# Altium PCB X98_CARRIER_V1R2_12082022.PcbDoc (part 10 of 10)
Units mm, origin at the board's own origin, x right, y up, seen from the top; angles counter-clockwise.
Board outline 100 x 72 mm, 4 copper layers (Top Layer, Layer 1, Layer 2, Bottom Layer), stack 1.543 mm thick; 772 components, 527 nets, 2344 pads, 1194 vias.
Unrouted connection lines stored in the file: 58.
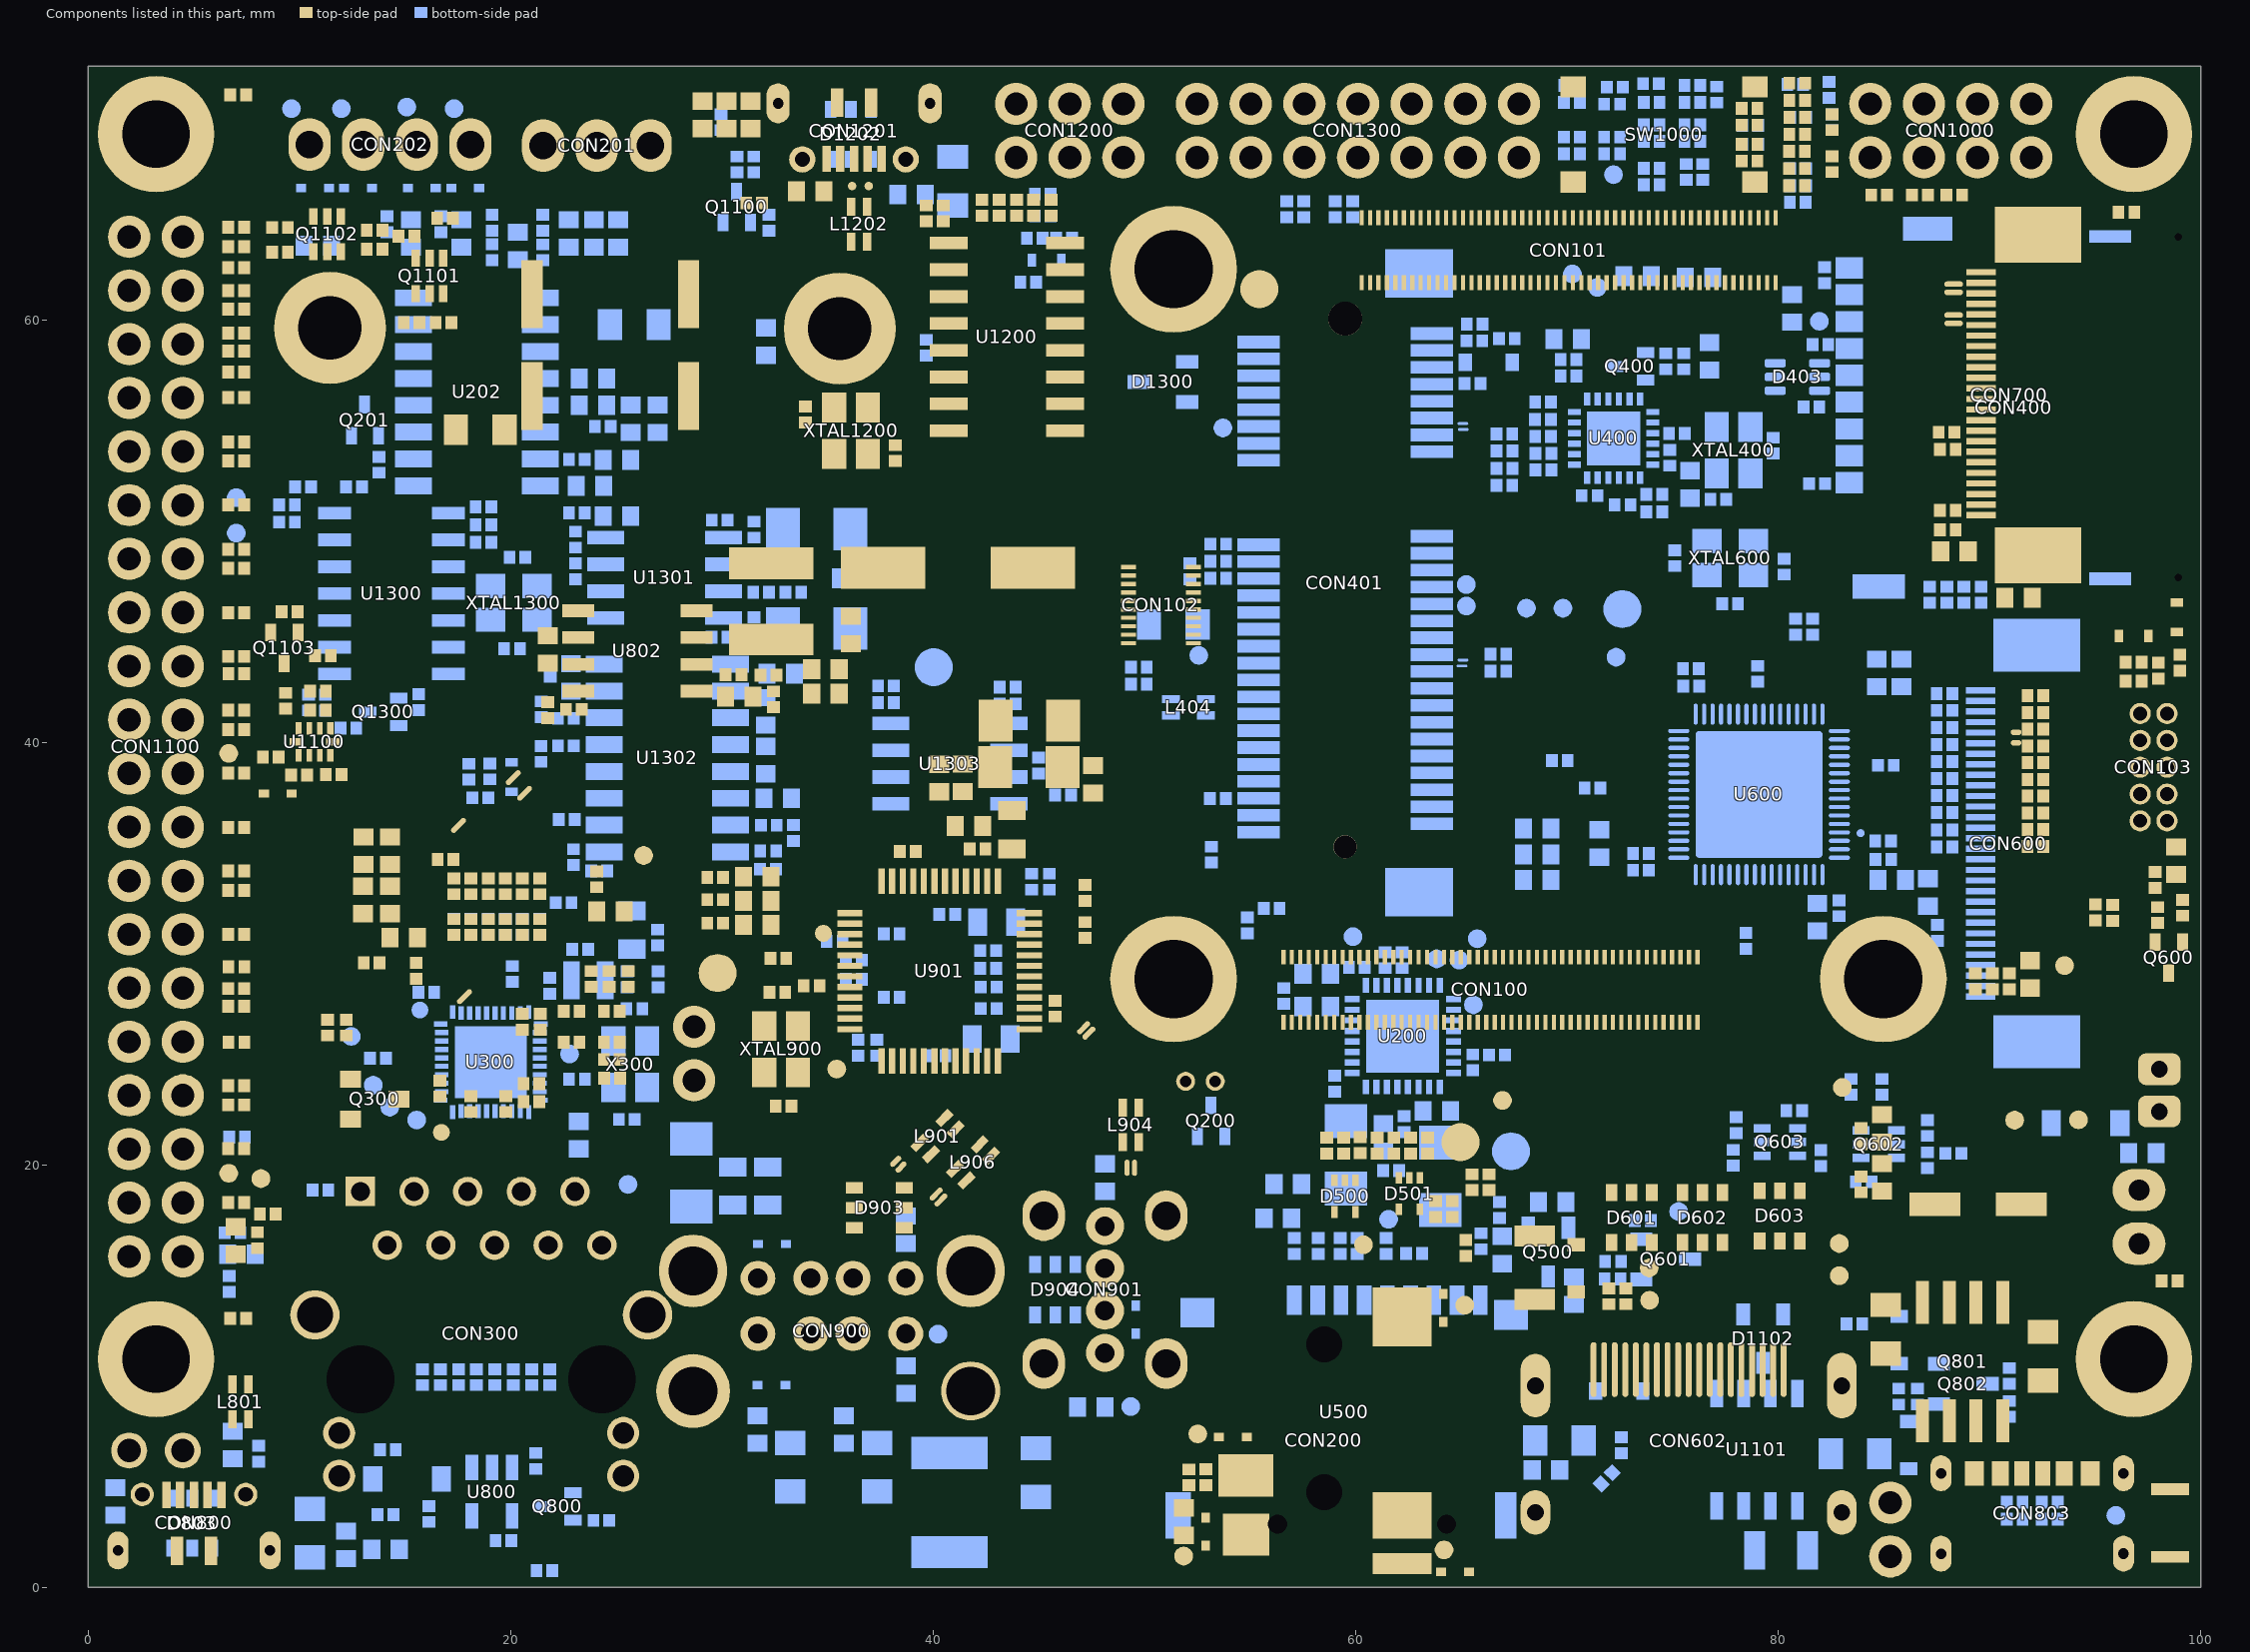
[diagram p12: the components of this part, seen from the top]

## Silkscreen, mask and mechanical layers (free items; w line width, h text height)
Top Overlay:
  drawing of 2811 lines, arcs and shapes, not listed
  text "P" at 145.113,144.428 h7.49
  text "C" at 149.424,144.428 h7.49
  text "B" at 154.094,144.428 h7.49
  text "S" at 159.842,144.428 h7.49
  text "P" at 164.154,144.428 h7.49
  text "E" at 168.465,144.428 h7.49
  text "C" at 172.776,144.428 h7.49
  text "I" at 177.446,144.428 h7.49
  text "F" at 179.242,144.428 h7.49
  text "I" at 183.194,144.428 h7.49
  text "C" at 184.991,144.428 h7.49
  text "A" at 189.661,144.428 h7.49
  text "T" at 193.792,144.428 h7.49
  text "I" at 197.924,144.428 h7.49
  text "O" at 199.72,144.428 h7.49
  text "N" at 204.57,144.428 h7.49
  text "S" at 209.061,144.428 h7.49
  text "P" at 147.621,138.859 h2.96
  text "C" at 149.238,138.859 h2.96
  text "B" at 150.854,138.859 h2.96
  text "V" at 154.088,138.859 h2.96
  text "e" at 155.704,138.859 h2.96
  text "r" at 157.321,138.859 h2.96
  text "s" at 158.938,138.859 h2.96
  text "i" at 160.554,138.859 h2.96
  text "o" at 162.171,138.859 h2.96
  text "n" at 163.788,138.859 h2.96
  text "2" at 203.521,138.859 h2.96
  text "1" at 205.138,138.859 h2.96
  text "C" at 206.754,138.859 h2.96
  text "B" at 208.371,138.859 h2.96
  text "9" at 209.988,138.859 h2.96
  text "8" at 211.604,138.859 h2.96
  text "0" at 213.221,138.859 h2.96
  text "0" at 214.838,138.859 h2.96
  text "V" at 216.454,138.859 h2.96
  text "1" at 218.071,138.859 h2.96
  text "R" at 219.688,138.859 h2.96
  text "R" at 254.225,138.859 h2.96
  text "o" at 255.842,138.859 h2.96
  text "H" at 257.459,138.859 h2.96
  text "s" at 259.075,138.859 h2.96
  text "2" at 221.304,138.821 h2.96
  text "P" at 147.621,133.83 h2.96
  text "C" at 149.238,133.83 h2.96
  text "B" at 150.854,133.83 h2.96
  text "D" at 154.088,133.83 h2.96
  text "e" at 155.704,133.83 h2.96
  text "f" at 157.321,133.83 h2.96
  text "i" at 158.938,133.83 h2.96
  text "n" at 160.554,133.83 h2.96
  text "i" at 162.171,133.83 h2.96
  text "t" at 163.788,133.83 h2.96
  text "i" at 165.404,133.83 h2.96
  text "o" at 167.021,133.83 h2.96
  text "n" at 168.638,133.83 h2.96
  text "C" at 203.521,133.83 h2.96
  text "A" at 205.138,133.83 h2.96
  text "R" at 206.754,133.83 h2.96
  text "R" at 208.371,133.83 h2.96
  text "I" at 209.988,133.83 h2.96
  text "E" at 211.604,133.83 h2.96
  text "R" at 213.221,133.83 h2.96
  text "I" at 254.225,133.83 h2.96
  text "m" at 255.842,133.83 h2.96
  text "p" at 257.459,133.83 h2.96
  text "e" at 259.075,133.83 h2.96
  text "d" at 260.692,133.83 h2.96
  text "a" at 262.309,133.83 h2.96
  text "n" at 263.925,133.83 h2.96
  text "c" at 265.542,133.83 h2.96
  text "e" at 267.159,133.83 h2.96
  text "C" at 270.392,133.83 h2.96
  text "o" at 272.009,133.83 h2.96
  text "n" at 273.625,133.83 h2.96
  text "t" at 275.242,133.83 h2.96
  text "r" at 276.859,133.83 h2.96
  text "o" at 278.475,133.83 h2.96
  text "l" at 280.092,133.83 h2.96
  text "Y" at 297.404,133.83 h2.96
  text "e" at 299.021,133.83 h2.96
  text "s" at 300.638,133.83 h2.96
  text "B" at 147.621,128.62 h2.96
  text "o" at 149.238,128.62 h2.96
  text "a" at 150.854,128.62 h2.96
  text "r" at 152.471,128.62 h2.96
  text "d" at 154.088,128.62 h2.96
  text "T" at 157.321,128.62 h2.96
  text "h" at 158.938,128.62 h2.96
  text "i" at 160.554,128.62 h2.96
  text "c" at 162.171,128.62 h2.96
  text "k" at 163.788,128.62 h2.96
  text "n" at 165.404,128.62 h2.96
  text "e" at 167.021,128.62 h2.96
  text "s" at 168.638,128.62 h2.96
  text "s" at 170.254,128.62 h2.96
  text "1" at 203.521,128.62 h2.96
  text "." at 205.138,128.62 h2.96
  text "6" at 206.754,128.62 h2.96
  text "+" at 208.371,128.62 h2.96
  text "/" at 209.988,128.62 h2.96
  text "-" at 211.604,128.62 h2.96
  text "0" at 213.221,128.62 h2.96
  text "." at 214.838,128.62 h2.96
  text "1" at 216.454,128.62 h2.96
  text "6" at 218.071,128.62 h2.96
  text "M" at 221.304,128.62 h2.96
  text "M" at 222.921,128.62 h2.96
  text "F" at 254.225,128.62 h2.96
  text "l" at 255.842,128.62 h2.96
  text "e" at 257.459,128.62 h2.96
  text "x" at 259.075,128.62 h2.96
  text "P" at 262.309,128.62 h2.96
  text "C" at 263.925,128.62 h2.96
  text "B" at 265.542,128.62 h2.96
  text "N" at 297.404,128.62 h2.96
  text "o" at 299.021,128.62 h2.96
  text "T" at 389.981,126.651 h7.49
  text "E" at 394.113,126.651 h7.49
  text "M" at 398.424,126.651 h7.49
  text "P" at 403.813,126.651 h7.49
  text "L" at 407.944,126.651 h7.49
  text "A" at 411.716,126.651 h7.49
  text "T" at 415.668,126.651 h7.49
  text "E" at 419.62,126.651 h7.49
  text "L" at 147.621,123.591 h2.96
  text "a" at 149.238,123.591 h2.96
  text "y" at 150.854,123.591 h2.96
  text "e" at 152.471,123.591 h2.96
  text "r" at 154.088,123.591 h2.96
  text "C" at 157.321,123.591 h2.96
  text "o" at 158.938,123.591 h2.96
  text "u" at 160.554,123.591 h2.96
  text "n" at 162.171,123.591 h2.96
  text "t" at 163.788,123.591 h2.96
  text "4" at 203.521,123.591 h2.96
  text "B" at 254.225,123.591 h2.96
  text "l" at 255.842,123.591 h2.96
  text "i" at 257.459,123.591 h2.96
  text "n" at 259.075,123.591 h2.96
  text "d" at 260.692,123.591 h2.96
  text "V" at 263.925,123.591 h2.96
  text "i" at 265.542,123.591 h2.96
  text "a" at 267.159,123.591 h2.96
  text "N" at 297.404,123.591 h2.96
  text "o" at 299.021,123.591 h2.96
  text "I" at 349.49,118.927 h7.49
  text "M" at 351.286,118.927 h7.49
  text "P" at 356.675,118.927 h7.49
  text "E" at 360.986,118.927 h7.49
  text "D" at 365.297,118.927 h7.49
  text "A" at 369.967,118.927 h7.49
  text "N" at 374.638,118.927 h7.49
  text "C" at 379.308,118.927 h7.49
  text "E" at 383.978,118.927 h7.49
  text "C" at 389.367,118.927 h7.49
  text "O" at 394.038,118.927 h7.49
  text "N" at 399.067,118.927 h7.49
  text "T" at 403.738,118.927 h7.49
  text "R" at 407.869,118.927 h7.49
  text "O" at 412.54,118.927 h7.49
  text "L" at 417.569,118.927 h7.49
  text "L" at 421.521,118.927 h7.49
  text "E" at 425.473,118.927 h7.49
  text "D" at 429.784,118.927 h7.49
  text "S" at 435.532,118.927 h7.49
  text "I" at 439.843,118.927 h7.49
  text "G" at 441.64,118.927 h7.49
  text "N" at 446.669,118.927 h7.49
  text "A" at 451.34,118.927 h7.49
  text "L" at 456.01,118.927 h7.49
  text "S" at 459.782,118.927 h7.49
  text "P" at 147.621,118.561 h2.96
  text "C" at 149.238,118.561 h2.96
  text "B" at 150.854,118.561 h2.96
  text "S" at 154.088,118.561 h2.96
  text "i" at 155.704,118.561 h2.96
  text "z" at 157.321,118.561 h2.96
  text "e" at 158.938,118.561 h2.96
  text "1" at 203.521,118.561 h2.96
  text "0" at 205.138,118.561 h2.96
  text "0" at 206.754,118.561 h2.96
  text "x" at 209.988,118.561 h2.96
  text "7" at 213.221,118.561 h2.96
  text "2" at 214.838,118.561 h2.96
  text "m" at 218.071,118.561 h2.96
  text "m" at 219.688,118.561 h2.96
  text "B" at 254.225,118.561 h2.96
  text "u" at 255.842,118.561 h2.96
  text "r" at 257.459,118.561 h2.96
  text "i" at 259.075,118.561 h2.96
  text "e" at 260.692,118.561 h2.96
  text "d" at 262.309,118.561 h2.96
  text "V" at 265.542,118.561 h2.96
  text "i" at 267.159,118.561 h2.96
  text "a" at 268.775,118.561 h2.96
  text "N" at 297.404,118.561 h2.96
  text "o" at 299.021,118.561 h2.96
  text "T" at 358.806,114.616 h2.96
  text "A" at 360.423,114.616 h2.96
  text "R" at 362.04,114.616 h2.96
  text "G" at 363.656,114.616 h2.96
  text "E" at 365.273,114.616 h2.96
  text "T" at 366.89,114.616 h2.96
  text "I" at 370.123,114.616 h2.96
  text "M" at 371.74,114.616 h2.96
  text "P" at 373.356,114.616 h2.96
  text "E" at 374.973,114.616 h2.96
  text "D" at 376.59,114.616 h2.96
  text "A" at 378.206,114.616 h2.96
  text "N" at 379.823,114.616 h2.96
  text "C" at 381.44,114.616 h2.96
  text "E" at 383.056,114.616 h2.96
  text "L" at 394.281,114.616 h2.96
  text "A" at 395.898,114.616 h2.96
  text "Y" at 397.515,114.616 h2.96
  text "E" at 399.131,114.616 h2.96
  text "R" at 400.748,114.616 h2.96
  text "T" at 410.765,114.616 h2.96
  text "R" at 412.381,114.616 h2.96
  text "A" at 413.998,114.616 h2.96
  text "C" at 415.615,114.616 h2.96
  text "E" at 417.231,114.616 h2.96
  text "W" at 420.465,114.616 h2.96
  text "I" at 422.081,114.616 h2.96
  text "D" at 423.698,114.616 h2.96
  text "T" at 425.315,114.616 h2.96
  text "H" at 426.931,114.616 h2.96
  text "/" at 430.165,114.616 h2.96
  text "G" at 433.398,114.616 h2.96
  text "A" at 435.015,114.616 h2.96
  text "P" at 436.631,114.616 h2.96
  text "/" at 439.865,114.616 h2.96
  text "R" at 443.098,114.616 h2.96
  text "E" at 444.715,114.616 h2.96
  text "F" at 446.331,114.616 h2.96
  text "P" at 147.621,113.352 h2.96
  text "a" at 149.238,113.352 h2.96
  text "n" at 150.854,113.352 h2.96
  text "e" at 152.471,113.352 h2.96
  text "l" at 154.088,113.352 h2.96
  text "2" at 203.521,113.352 h2.96
  text "X" at 205.138,113.352 h2.96
  text "2" at 206.754,113.352 h2.96
  text "(" at 209.988,113.352 h2.96
  text "5" at 213.221,113.352 h2.96
  text "m" at 216.454,113.352 h2.96
  text "m" at 218.071,113.352 h2.96
  text "S" at 221.304,113.352 h2.96
  text "T" at 222.921,113.352 h2.96
  text "R" at 224.538,113.352 h2.96
  text "I" at 226.154,113.352 h2.96
  text "P" at 227.771,113.352 h2.96
  text "E" at 229.388,113.352 h2.96
  text "O" at 232.621,113.352 h2.96
  text "N" at 234.238,113.352 h2.96
  text "E" at 237.471,113.352 h2.96
  text "D" at 239.088,113.352 h2.96
  text "G" at 240.704,113.352 h2.96
  text "E" at 242.321,113.352 h2.96
  text "S" at 243.938,113.352 h2.96
  text ")" at 245.554,113.352 h2.96
  text "V" at 254.225,113.352 h2.96
  text "i" at 255.842,113.352 h2.96
  text "a" at 257.459,113.352 h2.96
  text "F" at 260.692,113.352 h2.96
  text "i" at 262.309,113.352 h2.96
  text "l" at 263.925,113.352 h2.96
  text "l" at 265.542,113.352 h2.96
  text "i" at 267.159,113.352 h2.96
  text "n" at 268.775,113.352 h2.96
  text "g" at 270.392,113.352 h2.96
  text "-" at 273.625,113.352 h2.96
  text "C" at 276.859,113.352 h2.96
  text "u" at 278.475,113.352 h2.96
  text "N" at 297.404,113.352 h2.96
  text "o" at 299.021,113.352 h2.96
  text "M" at 147.621,108.322 h2.96
  text "a" at 149.238,108.322 h2.96
  text "t" at 150.854,108.322 h2.96
  text "e" at 152.471,108.322 h2.96
  text "r" at 154.088,108.322 h2.96
  text "i" at 155.704,108.322 h2.96
  text "a" at 157.321,108.322 h2.96
  text "l" at 158.938,108.322 h2.96
  text "F" at 203.521,108.322 h2.96
  text "R" at 205.138,108.322 h2.96
  text "4" at 206.754,108.322 h2.96
  text "V" at 254.225,108.322 h2.96
  text "i" at 255.842,108.322 h2.96
  text "a" at 257.459,108.322 h2.96
  text "F" at 260.692,108.322 h2.96
  text "i" at 262.309,108.322 h2.96
  text "l" at 263.925,108.322 h2.96
  text "l" at 265.542,108.322 h2.96
  text "i" at 267.159,108.322 h2.96
  text "n" at 268.775,108.322 h2.96
  text "g" at 270.392,108.322 h2.96
  text "-" at 273.625,108.322 h2.96
  text "P" at 276.859,108.322 h2.96
  text "a" at 278.475,108.322 h2.96
  text "s" at 280.092,108.322 h2.96
  text "t" at 281.709,108.322 h2.96
  text "e" at 283.325,108.322 h2.96
  text "N" at 297.404,108.322 h2.96
  text "o" at 299.021,108.322 h2.96
  text "W" at 409.152,108.149 h2.96
  text "I" at 410.769,108.149 h2.96
  text "D" at 412.385,108.149 h2.96
  text "T" at 414.002,108.149 h2.96
  text "H" at 415.619,108.149 h2.96
  text "-" at 417.235,108.149 h2.96
  text "4" at 418.852,108.149 h2.96
  text "m" at 422.085,108.149 h2.96
  text "i" at 423.702,108.149 h2.96
  text "l" at 425.319,108.149 h2.96
  text "/" at 428.552,108.149 h2.96
  text "G" at 431.785,108.149 h2.96
  text "A" at 433.402,108.149 h2.96
  text "P" at 435.019,108.149 h2.96
  text "-" at 436.635,108.149 h2.96
  text "5" at 438.252,108.149 h2.96
  text "." at 439.869,108.149 h2.96
  text "5" at 441.485,108.149 h2.96
  text "7" at 443.102,108.149 h2.96
  text "5" at 444.719,108.149 h2.96
  text "m" at 447.952,108.149 h2.96
  text "i" at 449.569,108.149 h2.96
  text "l" at 451.185,108.149 h2.96
  text "T" at 391.235,103.479 h2.96
  text "O" at 392.852,103.479 h2.96
  text "P" at 394.469,103.479 h2.96
  text "L" at 397.702,103.479 h2.96
  text "A" at 399.319,103.479 h2.96
  text "Y" at 400.935,103.479 h2.96
  text "E" at 402.552,103.479 h2.96
  text "R" at 404.169,103.479 h2.96
  text "S" at 147.621,103.113 h2.96
  text "u" at 149.238,103.113 h2.96
  text "r" at 150.854,103.113 h2.96
  text "f" at 152.471,103.113 h2.96
  text "a" at 154.088,103.113 h2.96
  text "c" at 155.704,103.113 h2.96
  text "e" at 157.321,103.113 h2.96
  text "F" at 160.554,103.113 h2.96
  text "i" at 162.171,103.113 h2.96
  text "n" at 163.788,103.113 h2.96
  text "i" at 165.404,103.113 h2.96
  text "s" at 167.021,103.113 h2.96
  text "h" at 168.638,103.113 h2.96
  text "I" at 203.521,103.113 h2.96
  text "M" at 205.138,103.113 h2.96
  text "M" at 206.754,103.113 h2.96
  text "E" at 208.371,103.113 h2.96
  text "R" at 209.988,103.113 h2.96
  text "S" at 211.604,103.113 h2.96
  text "I" at 213.221,103.113 h2.96
  text "O" at 214.838,103.113 h2.96
  text "N" at 216.454,103.113 h2.96
  text "G" at 219.688,103.113 h2.96
  text "O" at 221.304,103.113 h2.96
  text "L" at 222.921,103.113 h2.96
  text "D" at 224.538,103.113 h2.96
  text "V" at 254.225,103.113 h2.96
  text "i" at 255.842,103.113 h2.96
  text "a" at 257.459,103.113 h2.96
  text "i" at 260.692,103.113 h2.96
  text "n" at 262.309,103.113 h2.96
  text "P" at 265.542,103.113 h2.96
  text "a" at 267.159,103.113 h2.96
  text "d" at 268.775,103.113 h2.96
  text "N" at 297.404,103.113 h2.96
  text "o" at 299.021,103.113 h2.96
  text "1" at 362.031,103.12 h2.96
  text "0" at 363.648,103.12 h2.96
  text "0" at 365.265,103.12 h2.96
  text "O" at 368.498,103.12 h2.96
  text "H" at 370.115,103.12 h2.96
  text "M" at 371.731,103.12 h2.96
  text "/" at 374.965,103.12 h2.96
  text "+" at 378.198,103.12 h2.96
  text "-" at 379.815,103.12 h2.96
  text "1" at 381.431,103.12 h2.96
  text "0" at 383.048,103.12 h2.96
  text "%" at 386.281,103.12 h2.96
  text "B" at 414.885,102.401 h2.96
  text "O" at 416.502,102.401 h2.96
  text "T" at 418.119,102.401 h2.96
  text "T" at 419.735,102.401 h2.96
  text "O" at 421.352,102.401 h2.96
  text "M" at 422.969,102.401 h2.96
  text "R" at 426.202,102.401 h2.96
  text "E" at 427.819,102.401 h2.96
  text "F" at 429.435,102.401 h2.96
  text "-" at 432.669,102.401 h2.96
  text "L" at 435.902,102.401 h2.96
  text "A" at 437.519,102.401 h2.96
  text "Y" at 439.135,102.401 h2.96
  text "E" at 440.752,102.401 h2.96
  text "R" at 442.369,102.401 h2.96
  text "1" at 445.602,102.401 h2.96
  text "M" at 147.621,98.083 h2.96
  text "i" at 149.238,98.083 h2.96
  text "n" at 150.854,98.083 h2.96
  text "i" at 152.471,98.083 h2.96
  text "m" at 154.088,98.083 h2.96
  text "u" at 155.704,98.083 h2.96
  text "m" at 157.321,98.083 h2.96
  text "d" at 160.554,98.083 h2.96
  text "r" at 162.171,98.083 h2.96
  text "i" at 163.788,98.083 h2.96
  text "l" at 165.404,98.083 h2.96
  text "l" at 167.021,98.083 h2.96
  text "d" at 170.254,98.083 h2.96
  text "i" at 171.871,98.083 h2.96
  text "a" at 173.488,98.083 h2.96
  text "m" at 175.104,98.083 h2.96
  text "e" at 176.721,98.083 h2.96
  text "t" at 178.338,98.083 h2.96
  text "e" at 179.954,98.083 h2.96
  text "r" at 181.571,98.083 h2.96
  text "0" at 203.521,98.083 h2.96
  text "." at 205.138,98.083 h2.96
  text "2" at 206.754,98.083 h2.96
  text "m" at 209.988,98.083 h2.96
  text "m" at 211.604,98.083 h2.96
  text "P" at 254.225,98.083 h2.96
  text "l" at 255.842,98.083 h2.96
  text "u" at 257.459,98.083 h2.96
  text "g" at 259.075,98.083 h2.96
  text "g" at 260.692,98.083 h2.96
  text "e" at 262.309,98.083 h2.96
  text "d" at 263.925,98.083 h2.96
  text "V" at 267.159,98.083 h2.96
  text "i" at 268.775,98.083 h2.96
  text "a" at 270.392,98.083 h2.96
  text "N" at 297.404,98.083 h2.96
  text "o" at 299.021,98.083 h2.96
  text "M" at 147.621,93.054 h2.96
  text "i" at 149.238,93.054 h2.96
  text "n" at 150.854,93.054 h2.96
  text "i" at 152.471,93.054 h2.96
  text "m" at 154.088,93.054 h2.96
  text "u" at 155.704,93.054 h2.96
  text "m" at 157.321,93.054 h2.96
  text "v" at 160.554,93.054 h2.96
  text "i" at 162.171,93.054 h2.96
  text "a" at 163.788,93.054 h2.96
  text "p" at 167.021,93.054 h2.96
  text "a" at 168.638,93.054 h2.96
  text "d" at 170.254,93.054 h2.96
  text "s" at 173.488,93.054 h2.96
  text "i" at 175.104,93.054 h2.96
  text "z" at 176.721,93.054 h2.96
  text "e" at 178.338,93.054 h2.96
  text "0" at 203.521,93.054 h2.96
  text "." at 205.138,93.054 h2.96
  text "4" at 206.754,93.054 h2.96
  text "m" at 209.988,93.054 h2.96
  text "m" at 211.604,93.054 h2.96
  text "V" at 254.225,93.054 h2.96
  text "i" at 255.842,93.054 h2.96
  text "a" at 257.459,93.054 h2.96
  text "T" at 260.692,93.054 h2.96
  text "e" at 262.309,93.054 h2.96
  text "n" at 263.925,93.054 h2.96
  text "t" at 265.542,93.054 h2.96
  text "i" at 267.159,93.054 h2.96
  text "n" at 268.775,93.054 h2.96
  text "g" at 270.392,93.054 h2.96
  text "Y" at 297.404,93.054 h2.96
  text "e" at 299.021,93.054 h2.96
  text "s" at 300.638,93.054 h2.96
  text "W" at 409.152,92.881 h2.96
  text "I" at 410.769,92.881 h2.96
  text "D" at 412.385,92.881 h2.96
  text "T" at 414.002,92.881 h2.96
  text "H" at 415.619,92.881 h2.96
  text "-" at 417.235,92.881 h2.96
  text "4" at 418.852,92.881 h2.96
  text "m" at 422.085,92.881 h2.96
  text "i" at 423.702,92.881 h2.96
  text "l" at 425.319,92.881 h2.96
  text "/" at 428.552,92.881 h2.96
  text "G" at 431.785,92.881 h2.96
  text "A" at 433.402,92.881 h2.96
  text "P" at 435.019,92.881 h2.96
  text "-" at 436.635,92.881 h2.96
  text "5" at 438.252,92.881 h2.96
  text "." at 439.869,92.881 h2.96
  text "5" at 441.485,92.881 h2.96
  text "7" at 443.102,92.881 h2.96
  text "5" at 444.719,92.881 h2.96
  text "m" at 447.952,92.881 h2.96
  text "i" at 449.569,92.881 h2.96
  text "l" at 451.185,92.881 h2.96
  text "B" at 393.565,90.366 h2.96
  text "o" at 395.181,90.366 h2.96
  text "t" at 396.798,90.366 h2.96
  text "t" at 398.415,90.366 h2.96
  text "o" at 400.031,90.366 h2.96
  text "m" at 401.648,90.366 h2.96
  text "M" at 147.621,87.844 h2.96
  text "i" at 149.238,87.844 h2.96
  text "n" at 150.854,87.844 h2.96
  text "i" at 152.471,87.844 h2.96
  text "m" at 154.088,87.844 h2.96
  text "u" at 155.704,87.844 h2.96
  text "m" at 157.321,87.844 h2.96
  text "o" at 160.554,87.844 h2.96
  text "u" at 162.171,87.844 h2.96
  text "t" at 163.788,87.844 h2.96
  text "e" at 165.404,87.844 h2.96
  text "r" at 167.021,87.844 h2.96
  text "l" at 170.254,87.844 h2.96
  text "a" at 171.871,87.844 h2.96
  text "y" at 173.488,87.844 h2.96
  text "e" at 175.104,87.844 h2.96
  text "r" at 176.721,87.844 h2.96
  text "l" at 179.954,87.844 h2.96
  text "i" at 181.571,87.844 h2.96
  text "n" at 183.188,87.844 h2.96
  text "e" at 184.804,87.844 h2.96
  text "/" at 186.421,87.844 h2.96
  text "s" at 188.038,87.844 h2.96
  text "p" at 189.654,87.844 h2.96
  text "a" at 191.271,87.844 h2.96
  text "c" at 192.888,87.844 h2.96
  text "e" at 194.504,87.844 h2.96
  text "4" at 203.521,87.844 h2.96
  text "m" at 205.138,87.844 h2.96
  text "i" at 206.754,87.844 h2.96
  text "l" at 208.371,87.844 h2.96
  text "/" at 209.988,87.844 h2.96
  text "4" at 211.604,87.844 h2.96
  text "m" at 213.221,87.844 h2.96
  text "i" at 214.838,87.844 h2.96
  text "l" at 216.454,87.844 h2.96
  text "S" at 254.225,87.844 h2.96
  text "o" at 255.842,87.844 h2.96
  text "l" at 257.459,87.844 h2.96
  text "d" at 259.075,87.844 h2.96
  text "e" at 260.692,87.844 h2.96
  text "r" at 262.309,87.844 h2.96
  text "M" at 265.542,87.844 h2.96
  text "a" at 267.159,87.844 h2.96
  text "s" at 268.775,87.844 h2.96
  text "k" at 270.392,87.844 h2.96
  text "T" at 297.404,87.844 h2.96
  text "o" at 299.021,87.844 h2.96
  text "p" at 300.638,87.844 h2.96
  text "&" at 303.871,87.844 h2.96
  text "B" at 307.104,87.844 h2.96
  text "o" at 308.721,87.844 h2.96
  text "t" at 310.338,87.844 h2.96
  text "t" at 311.954,87.844 h2.96
  text "o" at 313.571,87.844 h2.96
  text "m" at 315.188,87.844 h2.96
  text "1" at 362.031,87.851 h2.96
  text "0" at 363.648,87.851 h2.96
  text "0" at 365.265,87.851 h2.96
  text "O" at 368.498,87.851 h2.96
  text "H" at 370.115,87.851 h2.96
  text "M" at 371.731,87.851 h2.96
  text "/" at 374.965,87.851 h2.96
  text "+" at 378.198,87.851 h2.96
  text "-" at 379.815,87.851 h2.96
  text "1" at 381.431,87.851 h2.96
  text "0" at 383.048,87.851 h2.96
  text "%" at 386.281,87.851 h2.96
  text "L" at 394.46,87.851 h2.96
  text "a" at 396.077,87.851 h2.96
  text "y" at 397.694,87.851 h2.96
  text "e" at 399.31,87.851 h2.96
  text "r" at 400.927,87.851 h2.96
  text "T" at 414.885,87.133 h2.96
  text "O" at 416.502,87.133 h2.96
  text "P" at 418.119,87.133 h2.96
  text "R" at 421.352,87.133 h2.96
  text "E" at 422.969,87.133 h2.96
  text "F" at 424.585,87.133 h2.96
  text "-" at 427.819,87.133 h2.96
  text "L" at 431.052,87.133 h2.96
  text "A" at 432.669,87.133 h2.96
  text "Y" at 434.285,87.133 h2.96
  text "E" at 435.902,87.133 h2.96
  text "R" at 437.519,87.133 h2.96
  text "2" at 440.752,87.133 h2.96
  text "M" at 147.621,82.815 h2.96
  text "i" at 149.238,82.815 h2.96
  text "n" at 150.854,82.815 h2.96
  text "i" at 152.471,82.815 h2.96
  text "m" at 154.088,82.815 h2.96
  text "u" at 155.704,82.815 h2.96
  text "m" at 157.321,82.815 h2.96
  text "i" at 160.554,82.815 h2.96
  text "n" at 162.171,82.815 h2.96
  text "n" at 163.788,82.815 h2.96
  text "e" at 165.404,82.815 h2.96
  text "r" at 167.021,82.815 h2.96
  text "l" at 170.254,82.815 h2.96
  text "a" at 171.871,82.815 h2.96
  text "y" at 173.488,82.815 h2.96
  text "e" at 175.104,82.815 h2.96
  text "r" at 176.721,82.815 h2.96
  text "l" at 179.954,82.815 h2.96
  text "i" at 181.571,82.815 h2.96
  text "n" at 183.188,82.815 h2.96
  text "e" at 184.804,82.815 h2.96
  text "/" at 186.421,82.815 h2.96
  text "s" at 188.038,82.815 h2.96
  text "p" at 189.654,82.815 h2.96
  text "a" at 191.271,82.815 h2.96
  text "c" at 192.888,82.815 h2.96
  text "e" at 194.504,82.815 h2.96
  text "4" at 203.521,82.815 h2.96
  text "m" at 205.138,82.815 h2.96
  text "i" at 206.754,82.815 h2.96
  text "l" at 208.371,82.815 h2.96
  text "/" at 209.988,82.815 h2.96
  text "4" at 211.604,82.815 h2.96
  text "m" at 213.221,82.815 h2.96
  text "i" at 214.838,82.815 h2.96
  text "l" at 216.454,82.815 h2.96
  text "S" at 254.225,82.815 h2.96
  text "o" at 255.842,82.815 h2.96
  text "l" at 257.459,82.815 h2.96
  text "d" at 259.075,82.815 h2.96
  text "e" at 260.692,82.815 h2.96
  text "r" at 262.309,82.815 h2.96
  text "M" at 265.542,82.815 h2.96
  text "a" at 267.159,82.815 h2.96
  text "s" at 268.775,82.815 h2.96
  text "k" at 270.392,82.815 h2.96
  text "C" at 273.625,82.815 h2.96
  text "o" at 275.242,82.815 h2.96
  text "l" at 276.859,82.815 h2.96
  text "o" at 278.475,82.815 h2.96
  text "r" at 280.092,82.815 h2.96
  text "G" at 297.404,82.815 h2.96
  text "r" at 299.021,82.815 h2.96
  text "e" at 300.638,82.815 h2.96
  text "e" at 302.254,82.815 h2.96
  text "n" at 303.871,82.815 h2.96
  text "V" at 147.621,77.785 h2.96
  text "i" at 149.238,77.785 h2.96
  text "a" at 150.854,77.785 h2.96
  text "P" at 154.088,77.785 h2.96
  text "l" at 155.704,77.785 h2.96
  text "a" at 157.321,77.785 h2.96
  text "t" at 158.938,77.785 h2.96
  text "i" at 160.554,77.785 h2.96
  text "n" at 162.171,77.785 h2.96
  text "g" at 163.788,77.785 h2.96
  text "T" at 167.021,77.785 h2.96
  text "h" at 168.638,77.785 h2.96
  text "i" at 170.254,77.785 h2.96
  text "c" at 171.871,77.785 h2.96
  text "k" at 173.488,77.785 h2.96
  text "n" at 175.104,77.785 h2.96
  text "e" at 176.721,77.785 h2.96
  text "s" at 178.338,77.785 h2.96
  text "s" at 179.954,77.785 h2.96
  text "M" at 203.521,77.785 h2.96
  text "i" at 205.138,77.785 h2.96
  text "n" at 206.754,77.785 h2.96
  text "2" at 209.988,77.785 h2.96
  text "0" at 211.604,77.785 h2.96
  text "u" at 214.838,77.785 h2.96
  text "m" at 216.454,77.785 h2.96
  text "O" at 254.225,77.785 h2.96
  text "v" at 255.842,77.785 h2.96
  text "e" at 257.459,77.785 h2.96
  text "r" at 259.075,77.785 h2.96
  text "l" at 260.692,77.785 h2.96
  text "a" at 262.309,77.785 h2.96
  text "y" at 263.925,77.785 h2.96
  text "T" at 297.404,77.785 h2.96
  text "o" at 299.021,77.785 h2.96
  text "p" at 300.638,77.785 h2.96
  text "&" at 303.871,77.785 h2.96
  text "B" at 307.104,77.785 h2.96
  text "o" at 308.721,77.785 h2.96
  text "t" at 310.338,77.785 h2.96
  text "t" at 311.954,77.785 h2.96
  text "o" at 313.571,77.785 h2.96
  text "m" at 315.188,77.785 h2.96
  text "W" at 409.152,77.612 h2.96
  text "I" at 410.769,77.612 h2.96
  text "D" at 412.385,77.612 h2.96
  text "T" at 414.002,77.612 h2.96
  text "H" at 415.619,77.612 h2.96
  text "-" at 417.235,77.612 h2.96
  text "4" at 418.852,77.612 h2.96
  text "." at 420.469,77.612 h2.96
  text "4" at 422.085,77.612 h2.96
  text "9" at 423.702,77.612 h2.96
  text "5" at 425.319,77.612 h2.96
  text "m" at 428.552,77.612 h2.96
  text "i" at 430.169,77.612 h2.96
  text "l" at 431.785,77.612 h2.96
  text "/" at 435.019,77.612 h2.96
  text "G" at 438.252,77.612 h2.96
  text "A" at 439.869,77.612 h2.96
  text "P" at 441.485,77.612 h2.96
  text "-" at 443.102,77.612 h2.96
  text "4" at 444.719,77.612 h2.96
  text "m" at 447.952,77.612 h2.96
  text "i" at 449.569,77.612 h2.96
  text "l" at 451.185,77.612 h2.96
  text "T" at 391.235,73.301 h2.96
  text "O" at 392.852,73.301 h2.96
  text "P" at 394.469,73.301 h2.96
  text "L" at 397.702,73.301 h2.96
  text "A" at 399.319,73.301 h2.96
  text "Y" at 400.935,73.301 h2.96
  text "E" at 402.552,73.301 h2.96
  text "R" at 404.169,73.301 h2.96
  text "9" at 362.748,72.762 h2.96
  text "0" at 364.365,72.762 h2.96
  text "O" at 367.598,72.762 h2.96
  text "H" at 369.215,72.762 h2.96
  text "M" at 370.831,72.762 h2.96
  text "/" at 374.065,72.762 h2.96
  text "+" at 377.298,72.762 h2.96
  text "-" at 378.915,72.762 h2.96
  text "1" at 380.531,72.762 h2.96
  text "0" at 382.148,72.762 h2.96
  text "%" at 385.381,72.762 h2.96
  text "O" at 254.225,72.576 h2.96
  text "v" at 255.842,72.576 h2.96
  text "e" at 257.459,72.576 h2.96
  text "r" at 259.075,72.576 h2.96
  text "l" at 260.692,72.576 h2.96
  text "a" at 262.309,72.576 h2.96
  text "y" at 263.925,72.576 h2.96
  text "C" at 267.159,72.576 h2.96
  text "o" at 268.775,72.576 h2.96
  text "l" at 270.392,72.576 h2.96
  text "o" at 272.009,72.576 h2.96
  text "r" at 273.625,72.576 h2.96
  text "W" at 297.404,72.576 h2.96
  text "h" at 299.021,72.576 h2.96
  text "i" at 300.638,72.576 h2.96
  text "t" at 302.254,72.576 h2.96
  text "e" at 303.871,72.576 h2.96
  text "B" at 414.885,72.583 h2.96
  text "O" at 416.502,72.583 h2.96
  text "T" at 418.119,72.583 h2.96
  text "T" at 419.735,72.583 h2.96
  text "O" at 421.352,72.583 h2.96
  text "M" at 422.969,72.583 h2.96
  text "R" at 426.202,72.583 h2.96
  text "E" at 427.819,72.583 h2.96
  text "F" at 429.435,72.583 h2.96
  text "-" at 432.669,72.583 h2.96
  text "L" at 435.902,72.583 h2.96
  text "A" at 437.519,72.583 h2.96
  text "Y" at 439.135,72.583 h2.96
  text "E" at 440.752,72.583 h2.96
  text "R" at 442.369,72.583 h2.96
  text "1" at 445.602,72.583 h2.96
  text "SYS" at 31.733,66.153 h1.02 r90
  text "TXD" at 30.551,66.145 h1.02 r90
  text "RXD" at 29.281,66.105 h1.02 r90
  text "N" at 147.621,62.517 h2.96
  text "O" at 149.238,62.517 h2.96
  text "T" at 150.854,62.517 h2.96
  text "E" at 152.471,62.517 h2.96
  text "S" at 154.088,62.517 h2.96
  text ":" at 155.704,62.517 h2.96
  text "W" at 409.152,62.344 h2.96
  text "I" at 410.769,62.344 h2.96
  text "D" at 412.385,62.344 h2.96
  text "T" at 414.002,62.344 h2.96
  text "H" at 415.619,62.344 h2.96
  text "-" at 417.235,62.344 h2.96
  text "4" at 418.852,62.344 h2.96
  text "." at 420.469,62.344 h2.96
  text "4" at 422.085,62.344 h2.96
  text "9" at 423.702,62.344 h2.96
  text "5" at 425.319,62.344 h2.96
  text "m" at 428.552,62.344 h2.96
  text "i" at 430.169,62.344 h2.96
  text "l" at 431.785,62.344 h2.96
  text "/" at 435.019,62.344 h2.96
  text "G" at 438.252,62.344 h2.96
  text "A" at 439.869,62.344 h2.96
  text "P" at 441.485,62.344 h2.96
  text "-" at 443.102,62.344 h2.96
  text "4" at 444.719,62.344 h2.96
  text "m" at 447.952,62.344 h2.96
  text "i" at 449.569,62.344 h2.96
  text "l" at 451.185,62.344 h2.96
  text "B" at 393.565,59.829 h2.96
  text "o" at 395.181,59.829 h2.96
  text "t" at 396.798,59.829 h2.96
  text "t" at 398.415,59.829 h2.96
  text "o" at 400.031,59.829 h2.96
  text "m" at 401.648,59.829 h2.96
  text "9" at 362.748,57.494 h2.96
  text "0" at 364.365,57.494 h2.96
  text "O" at 367.598,57.494 h2.96
  text "H" at 369.215,57.494 h2.96
  text "M" at 370.831,57.494 h2.96
  text "/" at 374.065,57.494 h2.96
  text "+" at 377.298,57.494 h2.96
  text "-" at 378.915,57.494 h2.96
  text "1" at 380.531,57.494 h2.96
  text "0" at 382.148,57.494 h2.96
  text "%" at 385.381,57.494 h2.96
  text "L" at 394.46,57.314 h2.96
  text "a" at 396.077,57.314 h2.96
  text "y" at 397.694,57.314 h2.96
  text "e" at 399.31,57.314 h2.96
  text "r" at 400.927,57.314 h2.96
  text "T" at 417.931,57.314 h2.96
  text "O" at 419.548,57.314 h2.96
  text "P" at 421.165,57.314 h2.96
  text "R" at 424.398,57.314 h2.96
  text "E" at 426.015,57.314 h2.96
  text "F" at 427.631,57.314 h2.96
  text "-" at 429.248,57.314 h2.96
  text "L" at 432.481,57.314 h2.96
  text "A" at 434.098,57.314 h2.96
  text "Y" at 435.715,57.314 h2.96
  text "E" at 437.331,57.314 h2.96
  text "R" at 438.948,57.314 h2.96
  text "2" at 442.181,57.314 h2.96
  text "21CB9800V1R0" at 98.025,47.389 h0.76 r90
  text "W" at 409.152,45.818 h2.96
  text "I" at 410.769,45.818 h2.96
  text "D" at 412.385,45.818 h2.96
  text "T" at 414.002,45.818 h2.96
  text "H" at 415.619,45.818 h2.96
  text "-" at 417.235,45.818 h2.96
  text "5" at 418.852,45.818 h2.96
  text "." at 420.469,45.818 h2.96
  text "0" at 422.085,45.818 h2.96
  text "5" at 423.702,45.818 h2.96
  text "1" at 425.319,45.818 h2.96
  text "m" at 428.552,45.818 h2.96
  text "i" at 430.169,45.818 h2.96
  text "l" at 431.785,45.818 h2.96
  text "/" at 435.019,45.818 h2.96
  text "G" at 438.252,45.818 h2.96
  text "A" at 439.869,45.818 h2.96
  text "P" at 441.485,45.818 h2.96
  text "-" at 443.102,45.818 h2.96
  text "4" at 444.719,45.818 h2.96
  text "m" at 447.952,45.818 h2.96
  text "i" at 449.569,45.818 h2.96
  text "l" at 451.185,45.818 h2.96
  text "T" at 391.235,43.303 h2.96
  text "O" at 392.852,43.303 h2.96
  text "P" at 394.469,43.303 h2.96
  text "L" at 397.702,43.303 h2.96
  text "A" at 399.319,43.303 h2.96
  text "Y" at 400.935,43.303 h2.96
  text "E" at 402.552,43.303 h2.96
  text "R" at 404.169,43.303 h2.96
  text "8" at 362.748,42.405 h2.96
  text "5" at 364.365,42.405 h2.96
  text "O" at 367.598,42.405 h2.96
  text "H" at 369.215,42.405 h2.96
  text "M" at 370.831,42.405 h2.96
  text "/" at 374.065,42.405 h2.96
  text "+" at 377.298,42.405 h2.96
  text "-" at 378.915,42.405 h2.96
  text "1" at 380.531,42.405 h2.96
  text "0" at 382.148,42.405 h2.96
  text "%" at 385.381,42.405 h2.96
  text "B" at 414.885,41.507 h2.96
  text "O" at 416.502,41.507 h2.96
  text "T" at 418.119,41.507 h2.96
  text "T" at 419.735,41.507 h2.96
  text "O" at 421.352,41.507 h2.96
  text "M" at 422.969,41.507 h2.96
  text "R" at 426.202,41.507 h2.96
  text "E" at 427.819,41.507 h2.96
  text "F" at 429.435,41.507 h2.96
  text "-" at 432.669,41.507 h2.96
  text "L" at 435.902,41.507 h2.96
  text "A" at 437.519,41.507 h2.96
  text "Y" at 439.135,41.507 h2.96
  text "E" at 440.752,41.507 h2.96
  text "R" at 442.369,41.507 h2.96
  text "1" at 445.602,41.507 h2.96
  text "P" at 145.113,35.033 h7.49
  text "C" at 149.424,35.033 h7.49
  text "B" at 154.094,35.033 h7.49
  text "S" at 159.842,35.033 h7.49
  text "T" at 164.154,35.033 h7.49
  text "A" at 167.746,35.033 h7.49
  text "C" at 172.417,35.033 h7.49
  text "K" at 177.087,35.033 h7.49
  text "-" at 181.757,35.033 h7.49
  text "U" at 183.913,35.033 h7.49
  text "P" at 188.583,35.033 h7.49
  text "WPAN" at 26.233,33.288 h1.02
  text "W" at 409.152,32.525 h2.96
  text "I" at 410.769,32.525 h2.96
  text "D" at 412.385,32.525 h2.96
  text "T" at 414.002,32.525 h2.96
  text "H" at 415.619,32.525 h2.96
  text "-" at 417.235,32.525 h2.96
  text "5" at 418.852,32.525 h2.96
  text "." at 420.469,32.525 h2.96
  text "0" at 422.085,32.525 h2.96
  text "5" at 423.702,32.525 h2.96
  text "1" at 425.319,32.525 h2.96
  text "m" at 428.552,32.525 h2.96
  text "i" at 430.169,32.525 h2.96
  text "l" at 431.785,32.525 h2.96
  text "/" at 435.019,32.525 h2.96
  text "G" at 438.252,32.525 h2.96
  text "A" at 439.869,32.525 h2.96
  text "P" at 441.485,32.525 h2.96
  text "-" at 443.102,32.525 h2.96
  text "4" at 444.719,32.525 h2.96
  text "m" at 447.952,32.525 h2.96
  text "i" at 449.569,32.525 h2.96
  text "l" at 451.185,32.525 h2.96
  text "WWAN" at 25.981,32.246 h1.02
  text "B" at 393.565,31.807 h2.96
  text "o" at 395.181,31.807 h2.96
  text "t" at 396.798,31.807 h2.96
  text "t" at 398.415,31.807 h2.96
  text "o" at 400.031,31.807 h2.96
  text "m" at 401.648,31.807 h2.96
  text "WLAN" at 26.284,31.129 h1.02
  text "L" at 147.621,29.285 h2.96
  text "A" at 149.238,29.285 h2.96
  text "Y" at 150.854,29.285 h2.96
  text "E" at 152.471,29.285 h2.96
  text "R" at 154.088,29.285 h2.96
  text "S" at 203.521,29.285 h2.96
  text "T" at 205.138,29.285 h2.96
  text "A" at 206.754,29.285 h2.96
  text "C" at 208.371,29.285 h2.96
  text "K" at 209.988,29.285 h2.96
  text "U" at 213.221,29.285 h2.96
  text "P" at 214.838,29.285 h2.96
  text "T" at 251.717,29.285 h2.96
  text "H" at 253.334,29.285 h2.96
  text "I" at 254.95,29.285 h2.96
  text "C" at 256.567,29.285 h2.96
  text "K" at 258.184,29.285 h2.96
  text "N" at 259.8,29.285 h2.96
  text "E" at 261.417,29.285 h2.96
  text "S" at 263.034,29.285 h2.96
  text "S" at 264.65,29.285 h2.96
  text "(" at 266.267,29.285 h2.96
  text "M" at 267.884,29.285 h2.96
  text "M" at 269.5,29.285 h2.96
  text ")" at 271.117,29.285 h2.96
  text "T" at 292.388,29.285 h2.96
  text "H" at 294.004,29.285 h2.96
  text "I" at 295.621,29.285 h2.96
  text "C" at 297.238,29.285 h2.96
  text "K" at 298.854,29.285 h2.96
  text "N" at 300.471,29.285 h2.96
  text "E" at 302.088,29.285 h2.96
  text "S" at 303.704,29.285 h2.96
  text "S" at 305.321,29.285 h2.96
  text "(" at 306.938,29.285 h2.96
  text "M" at 308.554,29.285 h2.96
  text "I" at 310.171,29.285 h2.96
  text "L" at 311.788,29.285 h2.96
  text ")" at 313.404,29.285 h2.96
  text "L" at 394.46,29.292 h2.96
  text "a" at 396.077,29.292 h2.96
  text "y" at 397.694,29.292 h2.96
  text "e" at 399.31,29.292 h2.96
  text "r" at 400.927,29.292 h2.96
  text "8" at 362.748,27.136 h2.96
  text "5" at 364.365,27.136 h2.96
  text "O" at 367.598,27.136 h2.96
  text "H" at 369.215,27.136 h2.96
  text "M" at 370.831,27.136 h2.96
  text "/" at 374.065,27.136 h2.96
  text "+" at 377.298,27.136 h2.96
  text "-" at 378.915,27.136 h2.96
  text "1" at 380.531,27.136 h2.96
  text "0" at 382.148,27.136 h2.96
  text "%" at 385.381,27.136 h2.96
  text "T" at 417.931,26.777 h2.96
  text "O" at 419.548,26.777 h2.96
  text "P" at 421.165,26.777 h2.96
  text "R" at 424.398,26.777 h2.96
  text "E" at 426.015,26.777 h2.96
  text "F" at 427.631,26.777 h2.96
  text "-" at 429.248,26.777 h2.96
  text "L" at 432.481,26.777 h2.96
  text "A" at 434.098,26.777 h2.96
  text "Y" at 435.715,26.777 h2.96
  text "E" at 437.331,26.777 h2.96
  text "R" at 438.948,26.777 h2.96
  text "2" at 442.181,26.777 h2.96
  text "1" at 296.15,24.435 h2.96
  text "." at 297.767,24.435 h2.96
  text "4" at 299.384,24.435 h2.96
  text "T" at 147.621,24.256 h2.96
  text "O" at 149.238,24.256 h2.96
  text "P" at 150.854,24.256 h2.96
  text "L" at 154.088,24.256 h2.96
  text "A" at 155.704,24.256 h2.96
  text "Y" at 157.321,24.256 h2.96
  text "E" at 158.938,24.256 h2.96
  text "R" at 160.554,24.256 h2.96
  text "C" at 203.521,24.256 h2.96
  text "U" at 205.138,24.256 h2.96
  text "0" at 255.479,24.256 h2.96
  text "." at 257.096,24.256 h2.96
  text "0" at 258.713,24.256 h2.96
  text "3" at 260.329,24.256 h2.96
  text "5" at 261.946,24.256 h2.96
  text "3V3" at 83.205,20.457 h1.02 r90
  text "2" at 296.15,19.406 h2.96
  text "." at 297.767,19.406 h2.96
  text "6" at 299.384,19.406 h2.96
  text "P" at 203.521,19.226 h2.96
  text "R" at 205.138,19.226 h2.96
  text "E" at 206.754,19.226 h2.96
  text "P" at 208.371,19.226 h2.96
  text "R" at 209.988,19.226 h2.96
  text "A" at 211.604,19.226 h2.96
  text "G" at 213.221,19.226 h2.96
  text "0" at 255.479,19.226 h2.96
  text "." at 257.096,19.226 h2.96
  text "0" at 258.713,19.226 h2.96
  text "6" at 260.329,19.226 h2.96
  text "6" at 261.946,19.226 h2.96
  text "0" at 263.563,19.226 h2.96
  text "4" at 265.179,19.226 h2.96
  text "6" at 431.752,19.091 h2.96
  text "W" at 422.052,19.053 h2.96
  text "I" at 423.669,19.053 h2.96
  text "D" at 425.285,19.053 h2.96
  text "T" at 426.902,19.053 h2.96
  text "H" at 428.519,19.053 h2.96
  text "-" at 430.135,19.053 h2.96
  text "m" at 434.985,19.053 h2.96
  text "i" at 436.602,19.053 h2.96
  text "l" at 438.219,19.053 h2.96
  text "5V" at 83.205,18.552 h1.02 r90
  text "T" at 391.235,15.101 h2.96
  text "O" at 392.852,15.101 h2.96
  text "P" at 394.469,15.101 h2.96
  text "L" at 397.702,15.101 h2.96
  text "A" at 399.319,15.101 h2.96
  text "Y" at 400.935,15.101 h2.96
  text "E" at 402.552,15.101 h2.96
  text "R" at 404.169,15.101 h2.96
  text "B" at 414.885,14.742 h2.96
  text "O" at 416.502,14.742 h2.96
  text "T" at 418.119,14.742 h2.96
  text "T" at 419.735,14.742 h2.96
  text "O" at 421.352,14.742 h2.96
  text "M" at 422.969,14.742 h2.96
  text "R" at 426.202,14.742 h2.96
  text "E" at 427.819,14.742 h2.96
  text "F" at 429.435,14.742 h2.96
  text "-" at 432.669,14.742 h2.96
  text "L" at 435.902,14.742 h2.96
  text "A" at 437.519,14.742 h2.96
  text "Y" at 439.135,14.742 h2.96
  text "E" at 440.752,14.742 h2.96
  text "R" at 442.369,14.742 h2.96
  text "1" at 445.602,14.742 h2.96
  text "1" at 296.15,14.376 h2.96
  text "." at 297.767,14.376 h2.96
  text "4" at 299.384,14.376 h2.96
  text "L" at 147.621,14.017 h2.96
  text "A" at 149.238,14.017 h2.96
  text "Y" at 150.854,14.017 h2.96
  text "E" at 152.471,14.017 h2.96
  text "R" at 154.088,14.017 h2.96
  text "1" at 157.321,14.017 h2.96
  text "C" at 203.521,14.017 h2.96
  text "U" at 205.138,14.017 h2.96
  text "0" at 255.479,14.017 h2.96
  text "." at 257.096,14.017 h2.96
  text "0" at 258.713,14.017 h2.96
  text "3" at 260.329,14.017 h2.96
  text "5" at 261.946,14.017 h2.96
  text "5" at 362.748,11.868 h2.96
  text "0" at 364.365,11.868 h2.96
  text "O" at 367.598,11.868 h2.96
  text "H" at 369.215,11.868 h2.96
  text "M" at 370.831,11.868 h2.96
  text "/" at 374.065,11.868 h2.96
  text "+" at 377.298,11.868 h2.96
  text "-" at 378.915,11.868 h2.96
  text "1" at 380.531,11.868 h2.96
  text "0" at 382.148,11.868 h2.96
  text "%" at 385.381,11.868 h2.96
  text "5" at 296.15,9.167 h2.96
  text "0" at 297.767,9.167 h2.96
  text "P" at 203.521,8.987 h2.96
  text "R" at 205.138,8.987 h2.96
  text "E" at 206.754,8.987 h2.96
  text "P" at 208.371,8.987 h2.96
  text "R" at 209.988,8.987 h2.96
  text "A" at 211.604,8.987 h2.96
  text "G" at 213.221,8.987 h2.96
  text "1" at 255.479,8.987 h2.96
  text "." at 257.096,8.987 h2.96
  text "2" at 258.713,8.987 h2.96
  text "7" at 260.329,8.987 h2.96
  text "ON / OFF" at 97.248,5.277 h1.52
  text "1" at 296.15,4.137 h2.96
  text "." at 297.767,4.137 h2.96
  text "4" at 299.384,4.137 h2.96
  text "L" at 147.621,3.957 h2.96
  text "A" at 149.238,3.957 h2.96
  text "Y" at 150.854,3.957 h2.96
  text "E" at 152.471,3.957 h2.96
  text "R" at 154.088,3.957 h2.96
  text "2" at 157.321,3.957 h2.96
  text "C" at 203.521,3.957 h2.96
  text "U" at 205.138,3.957 h2.96
  text "0" at 255.479,3.957 h2.96
  text "." at 257.096,3.957 h2.96
  text "0" at 258.713,3.957 h2.96
  text "3" at 260.329,3.957 h2.96
  text "5" at 261.946,3.957 h2.96
  text "B" at 393.565,1.27 h2.96
  text "o" at 395.181,1.27 h2.96
  text "t" at 396.798,1.27 h2.96
  text "t" at 398.415,1.27 h2.96
  text "o" at 400.031,1.27 h2.96
  text "m" at 401.648,1.27 h2.96
  text "6" at 431.752,0.23 h2.96
  text "W" at 422.052,0.192 h2.96
  text "I" at 423.669,0.192 h2.96
  text "D" at 425.285,0.192 h2.96
  text "T" at 426.902,0.192 h2.96
  text "H" at 428.519,0.192 h2.96
  text "-" at 430.135,0.192 h2.96
  text "m" at 434.985,0.192 h2.96
  text "i" at 436.602,0.192 h2.96
  text "l" at 438.219,0.192 h2.96
  text "2" at 296.15,-0.893 h2.96
  text "." at 297.767,-0.893 h2.96
  text "6" at 299.384,-0.893 h2.96
  text "P" at 203.521,-1.252 h2.96
  text "R" at 205.138,-1.252 h2.96
  text "E" at 206.754,-1.252 h2.96
  text "P" at 208.371,-1.252 h2.96
  text "R" at 209.988,-1.252 h2.96
  text "A" at 211.604,-1.252 h2.96
  text "G" at 213.221,-1.252 h2.96
  text "0" at 255.479,-1.252 h2.96
  text "." at 257.096,-1.252 h2.96
  text "0" at 258.713,-1.252 h2.96
  text "6" at 260.329,-1.252 h2.96
  text "6" at 261.946,-1.252 h2.96
  text "0" at 263.563,-1.252 h2.96
  text "4" at 265.179,-1.252 h2.96
  text "L" at 394.46,-1.245 h2.96
  text "a" at 396.077,-1.245 h2.96
  text "y" at 397.694,-1.245 h2.96
  text "e" at 399.31,-1.245 h2.96
  text "r" at 400.927,-1.245 h2.96
  text "5" at 362.748,-3.221 h2.96
  text "0" at 364.365,-3.221 h2.96
  text "O" at 367.598,-3.221 h2.96
  text "H" at 369.215,-3.221 h2.96
  text "M" at 370.831,-3.221 h2.96
  text "/" at 374.065,-3.221 h2.96
  text "+" at 377.298,-3.221 h2.96
  text "-" at 378.915,-3.221 h2.96
  text "1" at 380.531,-3.221 h2.96
  text "0" at 382.148,-3.221 h2.96
  text "%" at 385.381,-3.221 h2.96
  text "T" at 417.931,-3.76 h2.96
  text "O" at 419.548,-3.76 h2.96
  text "P" at 421.165,-3.76 h2.96
  text "R" at 424.398,-3.76 h2.96
  text "E" at 426.015,-3.76 h2.96
  text "F" at 427.631,-3.76 h2.96
  text "-" at 429.248,-3.76 h2.96
  text "L" at 432.481,-3.76 h2.96
  text "A" at 434.098,-3.76 h2.96
  text "Y" at 435.715,-3.76 h2.96
  text "E" at 437.331,-3.76 h2.96
  text "R" at 438.948,-3.76 h2.96
  text "2" at 442.181,-3.76 h2.96
  text "1" at 296.15,-6.102 h2.96
  text "." at 297.767,-6.102 h2.96
  text "4" at 299.384,-6.102 h2.96
  text "B" at 147.621,-6.281 h2.96
  text "O" at 149.238,-6.281 h2.96
  text "T" at 150.854,-6.281 h2.96
  text "T" at 152.471,-6.281 h2.96
  text "O" at 154.088,-6.281 h2.96
  text "M" at 155.704,-6.281 h2.96
  text "L" at 158.938,-6.281 h2.96
  text "A" at 160.554,-6.281 h2.96
  text "Y" at 162.171,-6.281 h2.96
  text "E" at 163.788,-6.281 h2.96
  text "R" at 165.404,-6.281 h2.96
  text "C" at 203.521,-6.281 h2.96
  text "U" at 205.138,-6.281 h2.96
  text "0" at 255.479,-6.281 h2.96
  text "." at 257.096,-6.281 h2.96
  text "0" at 258.713,-6.281 h2.96
  text "3" at 260.329,-6.281 h2.96
  text "5" at 261.946,-6.281 h2.96
Bottom Overlay:
  lines w0.102: 8.558,62.553 18.564,62.553 ; 23.808,62.553 44.013,62.553 ; 27.788,32.553 56.299,32.553 ; 51.3,13.6 51.303,12.231 ; 53.387,62.553 56.308,62.553 ; 67.022,51.728 67.064,51.728 67.064,51.474 ; 68.905,52.363 68.969,52.363 ; 68.937,52.363 68.969,52.363 ; 68.969,51.982 68.969,52.363 ; 69.108,71.693 69.108,67.466 72.969,67.466 ; 69.108,71.718 77.897,71.718 77.897,69.838 77.033,69.838 77.033,67.806 72.969,67.806 72.969,67.466 ; 72.639,66.359 72.969,66.689 72.969,67.466 ; 64.867,62.269 68.727,62.269 68.727,63.057 72.791,63.057 72.791,64.784 73.122,64.784 73.122,66.304 64.867,66.304 64.867,62.269 ; 66.09,48.172 66.09,51.474 66.238,51.474 67.862,51.474 67.862,48.172 66.09,48.172 ; 66.238,51.728 66.238,55.03 67.805,55.03 67.805,51.728 66.238,51.728 ; 67.979,47.953 67.979,51.982 69.794,51.982 69.794,48.045 69.794,47.953 67.979,47.953 ; 68.107,52.363 68.107,56.554 69.667,56.554 69.667,52.363 68.107,52.363
  lines w0.152: 30.521,14.573 30.727,14.573 ; 32.667,14.573 33.127,14.573 ; 37.194,14.573 37.722,14.573 ; 79.607,51.856 79.607,52.872 ; 79.607,54.904 79.607,55.92
Mechanical 52:
  drawing of 326 lines, arcs and shapes, not listed

## Text inside footprints (layer, text, board x,y; h text height)
C216: Top Overlay "+" at 20.184,62.607 h0.76 r90
C220: Top Overlay "+" at 25.857,62.234 h0.76 r90
C401: Top Overlay "+" at 44.928,51.313 h1.27
D100: Top Overlay "+" at 86.126,20.435 h0.76 r90
D300: Top Overlay "+" at 25.679,33.503 h1.52 r180
D400: Top Overlay "+" at 29.937,32.893 h0.38
D401: Top Overlay "+" at 29.912,33.994 h0.38
D402: Top Overlay "+" at 29.928,31.823 h0.38
D802: Top Overlay "+" at 84.39,18.049 h0.3 r90
D1100: Top Overlay "+" at 31.821,67.984 h0.76 r90
D1200: Top Overlay "+" at 30.678,67.984 h0.76 r90
D1201: Top Overlay "+" at 29.408,67.984 h0.76 r90
U201: Top Overlay "+" at 55.949,24.709 h0.76 r180; Top Overlay "-" at 50.349,24.709 h0.76 r180; Mechanical 13 "+" at 55.949,24.709 h0.76 r180; Mechanical 13 "-" at 50.349,24.709 h0.76 r180